# Allegro board com_v1_p3.brd (continued)
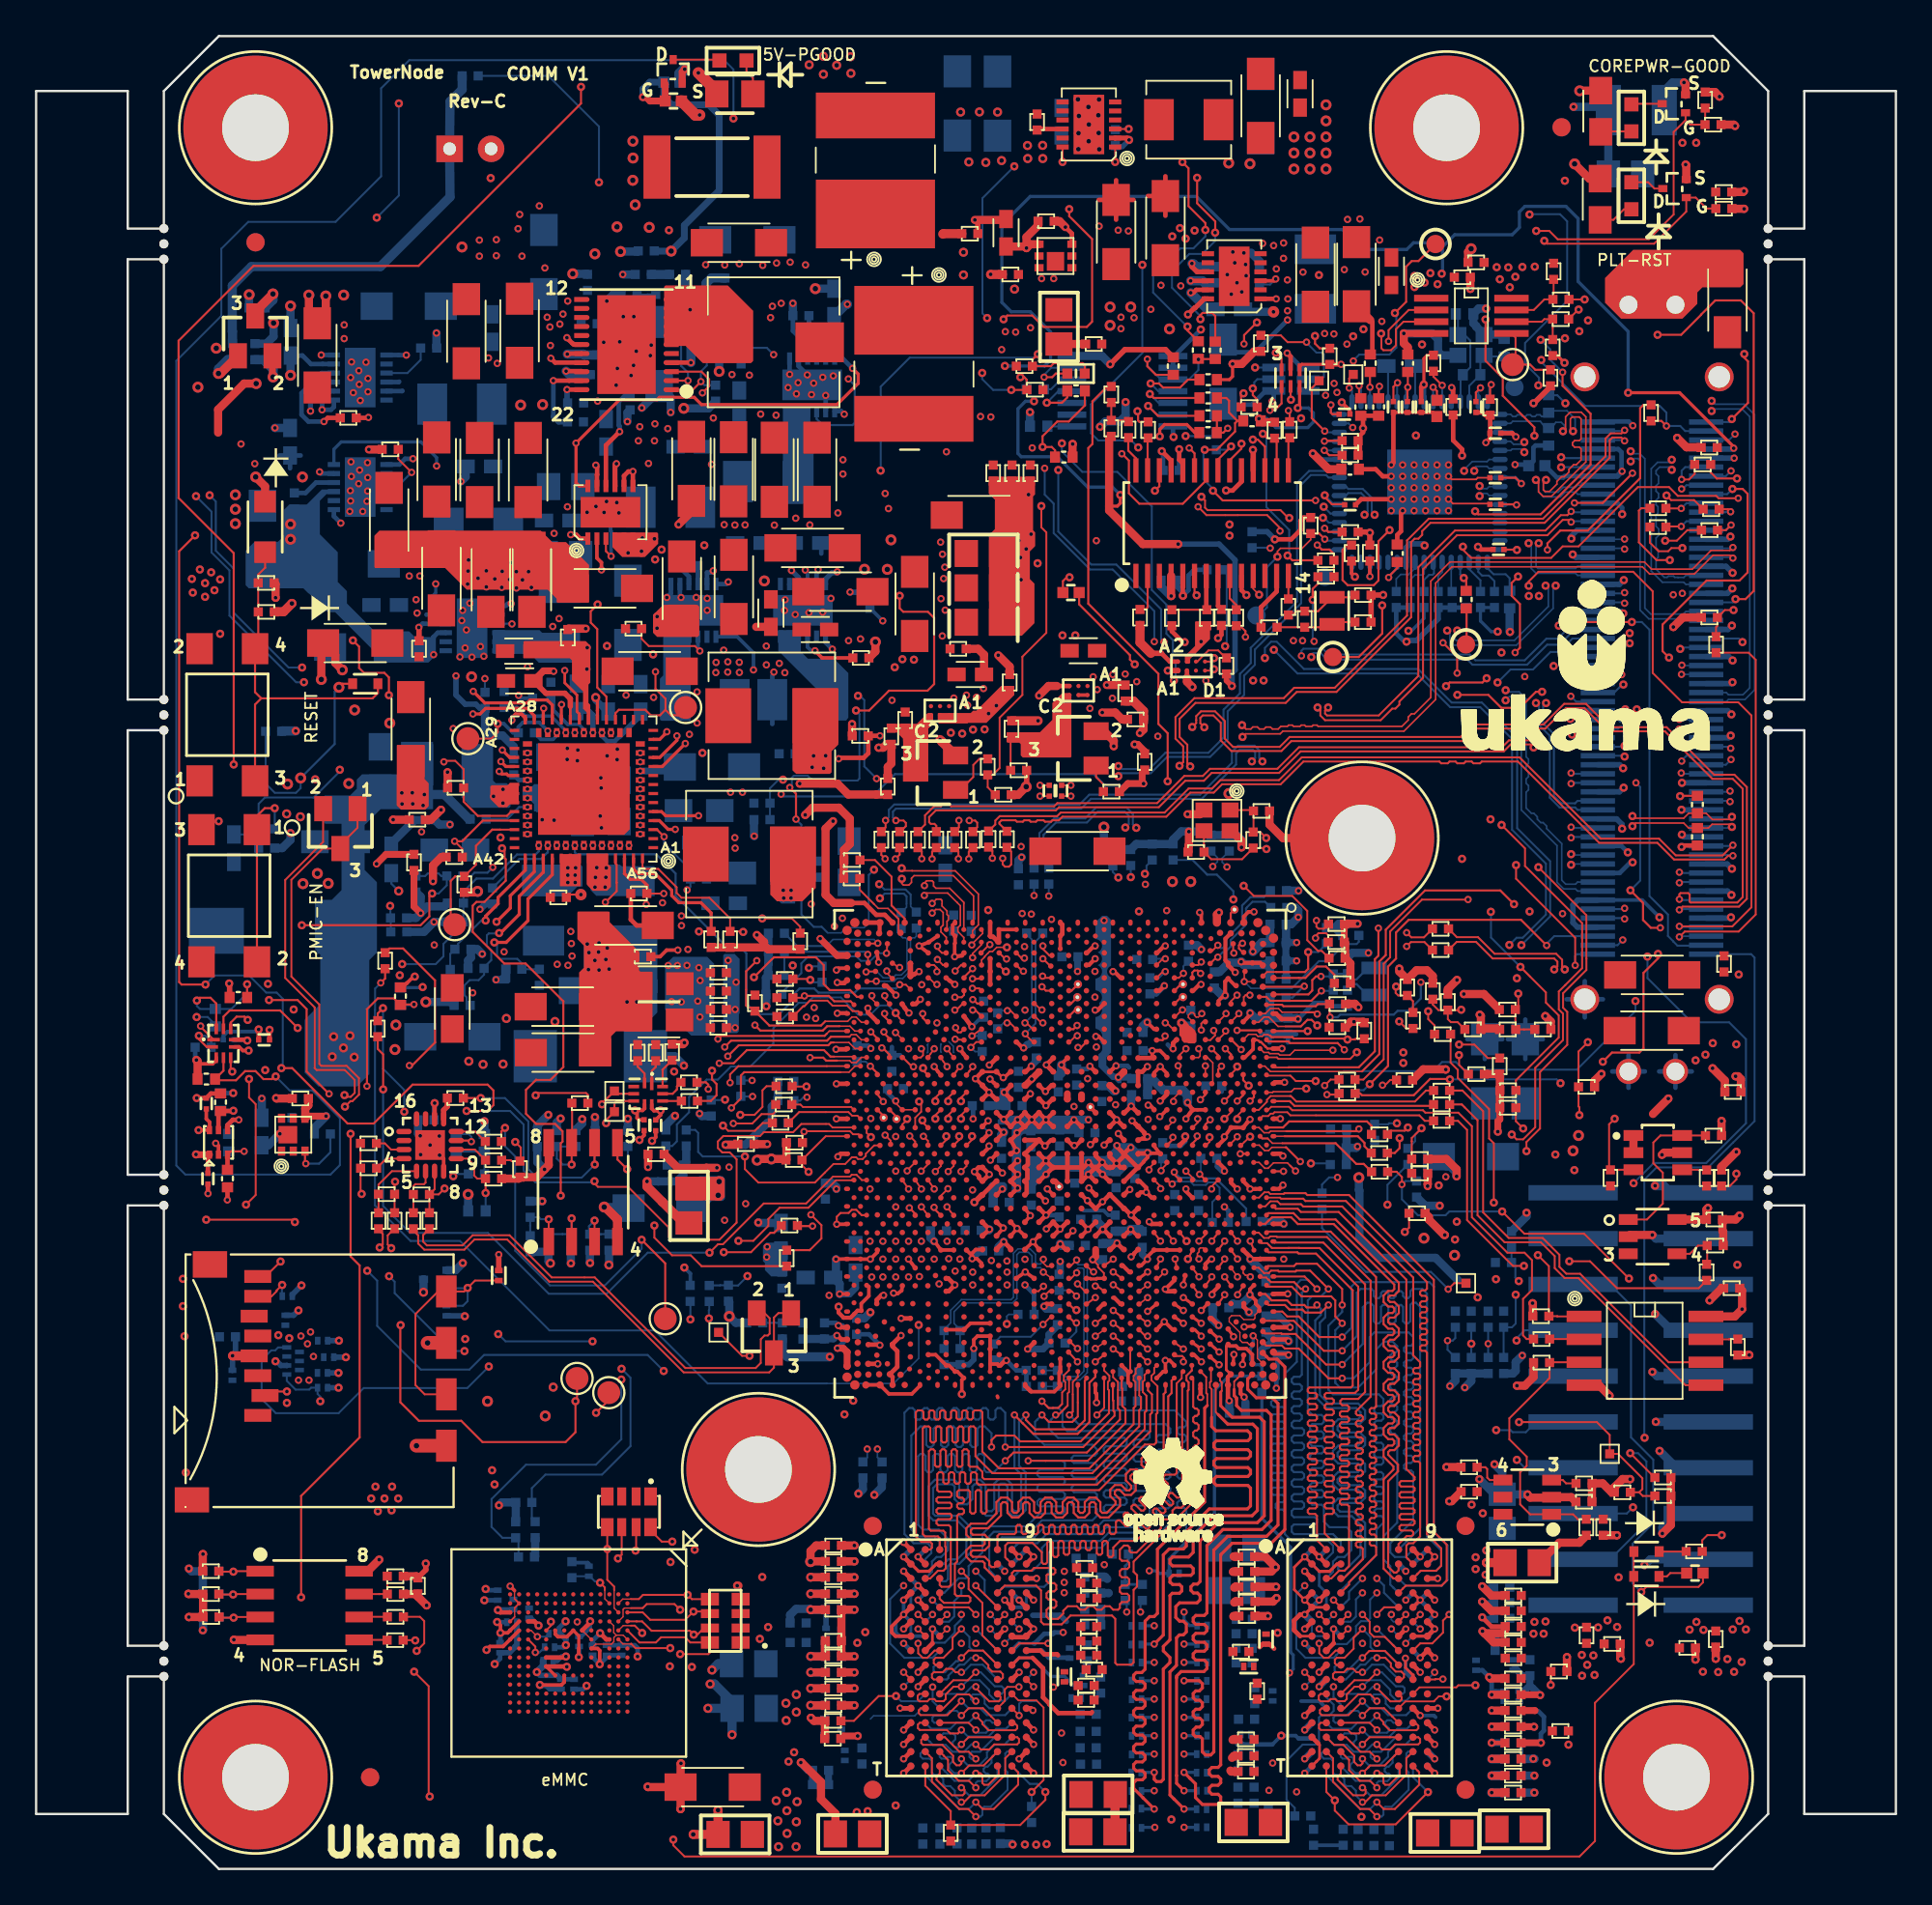
[diagram p0: board, top side]
## Copper pours and planes (outline as drawn; the poured copper is in the pictures) (continued)
V1P8_S on L6_SIG3: 8.98,8.26 8.22,9.02 8.22,59.16 7.72,59.66 7.72,98.05 10.44,100.77 92.57,100.77 95.09,98.25 95.09,77.85 94.71,77.47 89.63,77.47 88.99,78.11 88.99,80.65 86.49,83.16 70.61,83.16 69.94,83.82 69.94,87.63 68.67,88.9 44.54,88.9 36.92,96.52 32.48,96.52 19.78,83.82 19.78,67.31 22.56,64.53 22.56,61.39 23.09,60.85 23.1,60.85 23.1,58.35 23.05,58.25 22.94,58.23 22.53,57.91 22.94,57.59 23.05,57.56 23.1,57.46 23.1,51.93 24.01,51.02 24.01,51 24.1,50.81 24.29,50.72 24.31,50.72 28.68,46.35 28.68,46.35 35.02,40.01 52.16,40.01 52.43,39.74 52.43,36.46 52.16,36.2 45.18,36.2 43.27,34.29 43.27,27.31 42,26.04 38.19,26.04 36.29,24.13 36.29,20.96 40.92,16.32 40.92,9.71 39.46,8.26
V1P8_S on L8_SIG4: outline of 87 points within 51.66,33.65 61.6,39.29
V1P8_S on L8_SIG4: 84,40.42 84,36.35 84.36,35.98 90.16,35.98 90.52,36.35 90.52,40.16 89.74,40.94 84.52,40.94
V1P8_S on L8_SIG4: 66.39,65.27 64.69,65.27 64.52,65.44 64.52,65.75 63.59,66.68 63.59,69.46 63.99,69.85 66.39,69.85 66.77,69.47 66.77,65.65
V1P35_S on TOP (solid shape): 30.71,67.81 30.71,65.76 30.61,65.65 30.61,64.64 30.71,64.54 30.71,63.44 30.69,63.42 30.53,63.42 30.51,63.44 30.51,64.11 30.31,64.32 30.31,65.28 30.23,65.35 30.23,65.35 29.69,65.88 29.69,66.99 29.57,67.11 27.02,67.11 27,67.13 27,68.02 27.05,68.07 30.45,68.07
V1P35_S on BOTTOM: outline of 102 points within 42.96,43.56 55.38,58.19
V1P35_S on L7_PWR2: 35.91,63.88 33.97,65.82 30.1,65.82 29.94,65.98 29.94,67.47 31.05,68.58 34.38,68.58 37.56,65.41 41.37,65.41 44.54,62.23 44.54,57.79 43.91,57.15 41.32,57.15 40.73,57.73 40.73,59.06
V3P3_A on TOP: 33.76,42.67 33.76,42 33.84,41.92 33.84,41.42 33.8,41.38 33.32,41.38 33.19,41.51 33.19,41.72 32.95,41.96 32.95,42.18 33.04,42.27 33.48,42.27 33.58,42.38 33.58,42.66 33.59,42.67
V3P3_A on TOP: 80.21,87.4 80.74,86.87 82.72,86.87 83.62,87.77 83.62,88.57 83.8,88.75 84.32,88.75 84.35,88.77 84.35,89.6 84.31,89.64 82.88,89.64 82.33,90.19 82.33,91.86 82.93,92.46 84.64,92.46 85.08,92.91 85.08,93.72 84.66,94.15 82.51,94.15 80.21,91.84 80.21,89.64 79.98,89.42 79.98,88.58 80.21,88.35
V3P3_A on TOP: 69.14,87.15 69.14,85.69 69.9,84.93 73.99,84.93 75.56,86.5 75.56,88.24 75.49,88.31 74.71,88.31 74.5,88.09 74.5,87.75 74.27,87.52 69.52,87.52
V3P3_A on TOP: 40.31,65.63 44.54,65.63 44.75,65.42 49.03,65.42 49.45,65.85 49.45,69.22 49.43,69.24 47.84,69.24 47.7,69.1 47.7,67.13 47.21,66.63 43.27,66.63 42.93,66.97 42.93,69.08 42.92,69.09 41.92,69.09 41.91,69.08 41.91,67.63 41.74,67.45 40.32,67.45 40.21,67.34 40.21,65.73
V3P3_A on TOP: 88.67,50.31 88.67,45.73 88.64,45.7 86.58,45.7 84.77,47.51 84.77,48.56 86.53,50.32 88.66,50.32
V3P3_A on BOTTOM: 46.56,61.64 61.4,61.64 61.72,61.95 61.72,67.56 61.38,67.9 46.61,67.9 46.25,67.54 46.25,61.95
V3P3_A on BOTTOM: 35.83,62.2 36.87,62.2 37.08,62.41 41.56,62.41 41.82,62.16 41.82,61.02 42,60.84 42.52,60.84 42.7,61.02 42.7,62.62 41.68,63.65 41.68,65.72 41.73,65.77 41.73,66.64 41.27,67.1 40.49,67.1 40.09,66.71 40.09,66.09 39.93,65.93 39.93,63.65 39.6,63.32 35.85,63.32 35.76,63.23 35.76,62.27
V3P3_A on BOTTOM: 72.65,46.55 73.51,47.41 77.16,47.41 78.03,48.28 78.03,48.91 78.13,49.01 82.56,49.01 83.29,49.74 86.74,49.74 87.01,49.47 87.01,46.26 85.12,44.38 76.84,44.38 76.84,44.39 72.48,44.39 72.06,43.97 62.46,43.97 62.14,44.3 62.14,44.67 62.48,45.01 63.99,45.01 64.27,45.3 64.27,46.07 64.75,46.55
V3P3_A on BOTTOM: 69.14,87.45 69.14,86.01 67.89,86.01 67.65,85.77 65.21,85.77 65.04,85.6 65.04,82.66 65.14,82.56 66.99,82.56 67.12,82.69 67.12,83.34 67.3,83.53 69.48,83.53 69.55,83.59 69.55,83.82 70.62,84.89 73.21,84.89 74.07,85.74 82.98,85.74 83.45,86.22 83.45,89.26 83.22,89.5 75.81,89.5 73.76,87.45
V3P3_A on L3_SIG1: 40.03,67.07 40.03,66.6 40.72,65.91 40.72,62.38 41.03,62.06 45.52,62.06 45.98,61.61 47.03,61.61 47.19,61.76 47.19,63.03 47.2,63.05 47.2,63.67 47,63.88 47,65.01 49,67.01 49,67.41 48.6,67.81 40.77,67.81 ; 1 cut-out
V3P3_A on L3_SIG1: 8.36,72.12 8.36,63.37 10.53,61.19 13.69,61.19 14,61.51 15.38,61.51 15.85,61.04 15.85,58.82 18.73,55.95 21.57,55.95 22.96,54.56 22.96,46.05 23.69,45.32 29.56,45.32 33.06,41.83 33.5,41.83 33.5,43.26 30.19,46.58 25.02,46.58 23.95,47.65 23.95,55.53 22.3,57.17 18.86,57.17 16.53,59.5 16.53,61.46 15.52,62.47 11.34,62.47 9.9,63.91 9.9,69.97 10.5,70.57 10.5,72.21 10.28,72.43 8.67,72.43
V3P3_A on L4_PWR1: 41.37,67.31 40.1,67.31 38.83,68.58 38.83,74.93 36.92,76.84 18.34,76.84 14.05,72.55 8.75,72.55 8.02,71.81 8.02,61.88 8.93,60.96 14.7,60.96 15.97,62.23 15.97,70.49 19.14,73.66 26.78,73.66 28.67,71.77 28.67,67.95 29.3,67.31 33.11,67.31 34.38,66.04 34.38,62.23 35.02,61.6 36.29,61.6 39.46,64.77 41.37,64.77 42,65.41 42,66.68
V3P3_A on L5_SIG2: 62.89,41.2 61.77,41.2 61.4,41.56 61.4,44.74 59.78,46.36 59.78,53.98 56.61,57.15 41.37,57.15 40.1,58.42 40.1,69.85 39.46,70.49 39.46,82.55 48.35,91.44 83.91,91.44 84.55,90.81 84.55,86.36 83.91,85.73 69.31,85.73 68.67,85.09 68.67,80.65 69.31,80.01 78.83,80.01 79.47,79.38 79.47,70.49 78.83,69.85 53.43,69.85 49.62,66.04 49.62,62.87 50.26,62.23 53.44,62.23 55.98,64.77 76.93,64.77 77.56,64.14 77.56,52.07 76.93,51.44 70.49,51.44 68.59,49.53 66.13,49.53 65.3,48.7 65.3,47.19 65.5,46.99 68.04,46.99 69.31,48.26 73.76,48.26 74.33,47.69 74.33,44.95 72.88,43.5 71.3,43.5 70.34,42.54 64.22,42.54
V3P3_A on L7_PWR2: 94.9,56.07 94.07,55.25 87.72,55.25 87.1,54.62 87.1,47.64 85.82,46.36 72.48,46.36 71.85,46.99 71.85,48.9 75.66,52.71 75.66,76.84 74.39,78.11 69.31,78.11 68.67,78.74 68.67,87 70.58,88.9 70.58,91.44 71.21,92.08 94.71,92.08 94.9,91.89
V3P3_A on L8_SIG4: 35.99,63.16 36.5,63.16 36.61,63.05 36.61,61.03 35.19,59.6 34.14,59.6 33.63,60.12 33.23,60.12 33.23,60.48 33.32,60.57 33.68,60.57 35.87,62.76 35.87,63.04
V3P3_A on L8_SIG4: 7.95,9.93 7.95,72.62 10.25,74.93 10.25,79.38 12.16,81.28 12.16,86.36 12.79,87 15.97,87 16.6,86.36 16.6,71.12 12.16,66.68 12.16,36.2 11.52,35.56 11.52,24.13 14.06,21.59 19.14,21.59 22.32,18.42 22.32,9.53 21.68,8.89 8.98,8.89
V3P3_S on TOP (solid shape): 65.06,69.11 65.06,68.18 63.96,67.08 63.96,66.86 63.91,66.81 63.72,66.81 63.66,66.87 63.66,67.23 64.22,67.8 64.22,69.12 64.26,69.16 65.01,69.16
V3P3_S on TOP: 61.04,87.02 61.21,86.85 61.21,86.17 61.54,85.84 63.13,85.84 63.4,85.57 63.4,84.78 63.2,84.57 60.02,84.57 59.63,84.19 58.9,84.19 58.8,84.29 58.8,86.74 59.08,87.02
V3P3_S on TOP: 57.43,85.78 55.93,85.78 55.93,86.25 55.04,87.14 55.04,87.87 54.87,88.04 54.24,88.04 54.18,88.1 54.18,88.64 54.19,88.65 55.27,88.65 55.32,88.71 55.32,89.57 55.39,89.63 57.63,89.63 57.66,89.61 57.66,86
V3P3_S on TOP: 92.47,47.7 92.47,48.57 92.97,49.08 92.97,49.87 93.08,49.98 95.11,49.98 95.34,49.75 95.34,47.62 95.13,47.4 92.77,47.4
V3P3_S on BOTTOM: 59.13,87.34 59.13,84.42 60.91,84.42 60.91,87.34
V3P3_S on BOTTOM: 40.38,39.88 40.29,39.97 40.29,40.33 40.43,40.47 40.88,40.47 41.4,40.98 41.4,41.7 41.47,41.78 43.6,41.78 44.2,41.18 45.12,41.18 45.83,40.47 45.87,40.47 45.89,40.45 45.9,40.44 46.19,40.23 46.53,40.36 46.6,40.4 46.68,40.37 46.94,40.25 47.21,40.35 47.28,40.38 47.35,40.35 47.63,40.22 47.91,40.34 47.93,40.36 47.96,40.37 48.05,40.46 50.11,40.46 50.12,40.47 52.27,40.47 52.3,40.47 52.64,40.47 52.65,40.46 52.78,40.42 52.92,40.43 52.93,40.43 52.96,40.43 53.01,40.37 53.02,40.36 53.02,40.34 53.02,39.96 53.39,39.96 53.73,39.63 53.73,39.2 53.67,39.14 53.23,39.14 53.19,39.09 53.2,39.09 53.2,39.01 48.23,39.01 47.94,38.72 45.36,38.72 44.2,39.88 42.85,39.88
V3P3_S on BOTTOM: 61.66,84.4 61.66,84.92 61.67,84.93 61.67,85.93 62.07,86.33 63.16,86.33 63.52,85.98 63.52,84.4
V3P3_S on L7_PWR2: 94.29,54.72 94.81,54.19 94.81,13.44 94.07,12.7 82.64,12.7 82.01,13.34 82.01,19.05 78.2,22.86 78.2,34.93 78.83,35.56 78.83,37.47 77.56,38.74 64.86,38.74 64.23,39.37 64.23,51.44 58.51,57.15 58.51,66.68 55.97,69.22 55.97,83.82 54.7,85.09 27.4,85.09 22.95,80.65 22.95,71.76 22.32,71.12 18.5,71.12 17.87,70.5 17.87,59.06 19.14,57.79 21.68,57.79 22.32,57.15 22.32,43.82 23.59,42.55 40.73,42.55 41.02,42.26 41.02,40.11 40.29,39.38 36.3,39.38 35.65,38.74 35.65,32.39 38.33,29.71 38.33,24.86 36.92,22.23 38.33,19.59 38.33,1.2 38.12,0.99 18.16,0.99 17.24,1.91 17.24,9.53 16.61,10.16 8.35,10.16 7.96,10.55 7.96,73.27 8.98,74.3 14.06,74.3 16.6,76.84 16.6,83.82 15.33,85.09 15.33,97.79 18.3,100.75 92.36,100.75 95.08,98.04 95.08,93.08 94.71,92.71 71.21,92.71 69.94,91.44 69.94,88.9 68.04,87 68.04,78.74 69.31,77.47 74.39,77.47 75.02,76.84 75.02,52.71 71.21,48.9 71.21,46.36 71.85,45.72 85.82,45.72 87.72,47.63 87.72,54.61 87.83,54.72
V3P3_S on L8_SIG4: 53.3,41.86 52.29,41.86 52.06,41.63 52.06,39.2 52.45,38.81 53.15,38.81 53.42,39.08 53.42,41.74
V5_A on BOTTOM (solid shape): 28.96,60.1 28.96,58.72 28.86,58.62 27.61,58.62 27.59,58.64 27.59,59.02 27.39,59.22 26.99,59.22 26.95,59.26 26.95,59.88 27.05,59.98 27.45,59.98 27.6,60.13 28.92,60.13
V5_A on TOP: 15.55,77.77 15.55,73.14 18.17,70.52 19.85,70.52 20.97,69.4 21.29,69.4 21.38,69.49 21.38,70.36 19.93,71.8 18.65,71.8 16.83,73.62 16.83,77.77 16.54,78.06 15.84,78.06
V5_A on TOP: 56.2,96.11 56.02,95.93 54.73,95.93 54.6,95.79 54.6,94.66 54.74,94.51 55.97,94.51 56.13,94.66 56.13,95.53 56.4,95.8 57.21,95.8 57.21,96.11
V5_A on TOP: 33.23,90.63 32.6,91.26 32.6,96.04 32.66,96.1 35.14,96.1 35.15,96.09 35.15,92.58 34.55,92.58 34.51,92.55 34.51,90.79 34.35,90.63
V5_A on TOP: 9.97,81.54 11.23,82.8 11.23,82.8 12.42,82.8 12.58,82.63 12.58,78.41 10.87,76.7 8.5,76.7 8.36,76.84 8.36,81.09 8.81,81.54
V5_A on BOTTOM: 37.54,55.77 37.54,55.77 37.92,55.39 37.92,52.99 37.77,52.85 36.84,52.85 36.64,53.05 36.64,54.03 36.8,54.19 36.8,55.14 36.53,55.42 35.69,56.25 35.69,57.08 35.07,57.7 34.33,57.7 34.01,58.02 34.01,58.59 33.68,58.92 33.4,58.92 33.25,58.77 33.25,57.47 32.92,57.14 32.23,57.14 32.03,56.94 32.03,56.53 31.98,56.48 31.22,56.48 31.17,56.53 31.17,57.12 31.07,57.22 30.58,57.22 30.51,57.14 30.51,56.51 30.48,56.48 30.23,56.48 30.2,56.51 30.2,57.07 30.13,57.14 29.54,57.14 29.52,57.12 29.52,56.56 29.47,56.51 27.43,56.51 26.57,55.65 23.75,55.65 23.55,55.85 23.55,57.35 23.93,57.73 29.12,57.73 29.24,57.86 29.24,58.69 29.47,58.92 32.49,58.92 32.92,59.35 32.92,59.89 33.05,60.01 33.71,60.01 33.86,59.86 35.82,59.86 36.65,59.02 36.65,57.55 36.88,57.32 36.88,56.43
V5_A on BOTTOM: 57.17,96.61 56.23,96.61 55.64,96.01 54.84,96.01 54.65,95.82 54.65,94.69 54.75,94.58 55.92,94.58 56.13,94.79 56.13,95.54 56.16,95.58 57.17,95.58
V5_A on BOTTOM: 31.96,79.52 30.94,79.52 30.71,79.29 30.71,77.64 30.77,77.58 31.65,77.58 31.78,77.71 31.78,78.04 32.06,78.32 32.06,79.42
V5_A on BOTTOM: 15.75,78.9 15.96,78.69 15.96,77.24 15.88,77.16 13.44,77.16 11.74,78.86 11.74,82.62 13.54,84.42 15.22,84.42 15.39,84.25 15.39,83.06 14.32,82 14.32,81.65 12.68,80 12.68,79.19 12.97,78.9
V5_A on BOTTOM: 43.03,73.93 44.45,73.93 44.55,73.83 44.55,72.59 44.03,72.07 43.8,72.07 43.54,71.8 43.16,71.8 43.06,71.9 43.06,72.97 42.95,73.07 42.95,73.86
V5_A on BOTTOM: 19.81,69.36 21.76,69.36 21.79,69.39 22.91,69.39 22.96,69.45 22.96,69.63 22.94,69.66 21.87,69.66 21.6,69.93 21.6,70.27 21.34,70.53 21.34,70.56 21.16,70.73 20.02,70.73 20.01,70.72 19.57,70.72 19.51,70.67 19.51,69.66
V5_A on BOTTOM: 32.74,91.9 32.92,91.71 35.87,91.71 36.65,92.5 36.65,96.78 36.5,96.94 33.1,96.94 32.74,96.58
V5_A on BOTTOM: 39.23,73.88 39.25,73.87 39.25,72.03 38.94,71.72 37.16,71.72 37.11,71.78 37.11,72.2 37.45,72.54 38.05,72.54 38.22,72.71 38.22,73.87 38.23,73.88
V5_A on L3_SIG1: 8.44,79.54 7.72,80.27 7.72,91.51 9.33,93.12 17.16,93.12 22.38,98.34 26.14,98.34 27.64,96.85 33.53,96.85 34.31,96.07 34.31,90.84 34.17,90.7 34.17,90.69 32.26,88.79 13.56,88.79 12.36,87.59 12.36,85.29 13.87,83.77 14.65,83.77 14.86,83.57 14.86,80.27 14.13,79.54
V5_A on L4_PWR1: 47.72,92.71 36.29,92.71 35.49,91.91 33.1,91.91 32.73,92.28 32.73,96.21 33.04,96.52 39.46,96.52 40.1,97.16 56.61,97.16 57.25,96.51 57.25,91.45 56.61,90.81 49.62,90.81
V5_A on L5_SIG2: 56.61,100.33 56.61,92.71 55.97,92.08 39.46,92.08 35.65,88.27 17.87,88.27 14.51,84.9 14.51,80.2 16.6,78.11 16.6,76.84 15.97,76.2 13.43,76.2 12.79,75.57 12.79,72.39 13.43,71.76 21.68,71.76 22.32,71.12 22.32,69.85 21.68,69.22 8.35,69.22 7.86,69.7 7.86,97.83 10.94,100.91 56.03,100.91 ; 1 cut-out
V5_A on L6_SIG3: 55.41,80.79 55.37,80.69 44.54,69.85 42.64,67.95 27.4,67.95 26.29,66.84 26.29,64.85 26.55,64.59 27.48,64.59 27.9,65.02 29.19,65.02 29.34,64.87 29.34,63.85 29.3,63.82 29.3,60.96 30.57,59.69 31.84,59.69 32.23,60.07 33.62,60.07 33.83,59.86 33.83,59.3 33.75,59.38 33.75,57.15 33.11,56.52 25.95,56.52 25.1,57.37 25.1,64.15 24.89,64.36 24.89,65.63 25.1,65.83 25.1,66.31 24.74,66.68 21.68,66.68 20.41,67.95 20.41,83.82 32.7,96.11 36.7,96.11 44.54,88.27 68.67,88.27 69.31,87.63 69.31,83.19 68.67,82.55 57.23,82.55 56.01,81.34 55.91,81.3 55.82,81.35 55.32,81.38 55.36,80.89
V5_A on L7_PWR2: 12.16,83.82 15.33,83.82 15.97,83.19 15.97,76.84 15.33,76.2 13.43,76.2 12.79,76.84 12.79,78.11 11.52,79.38 11.52,83.19
V12_A on TOP (solid shape): 36.75,69.97 36.75,68.39 36.66,68.29 34.41,68.29 34.19,68.52 34.19,69.51 34.75,70.08 36.65,70.08
V12_A on BOTTOM (solid shape): 16.83,76.22 16.1,76.22 15.72,75.84 15.72,73.98 16.72,72.99 16.72,71.34 17.23,70.83 17.23,70.15 18.77,68.6 20.68,68.6 20.99,68.29 22.06,68.29 22.13,68.23 22.13,67.25 21.74,66.87 18.72,66.87 18.71,66.89 18.71,67.53 16.57,69.67 16.16,69.67 15.12,70.71 15.09,70.71 14.81,70.99 11.79,70.99 11.61,71.17 11.61,73.07 12.11,73.57 13.4,73.57 13.74,73.91 13.74,75.35 14.03,75.64 15,75.64 15.83,76.47 16.83,76.47
V12_A on TOP: 56,98.19 50.85,98.19 50.64,97.98 50.64,95.57 50.64,95.56 50.64,95.08 51.44,94.28 53.56,94.28 53.83,94.56 53.83,95.73 55.14,97.04 55.71,97.04 55.93,96.82 57.21,96.82 57.21,97.07 57.18,97.09 56.47,97.09 56.04,97.52 56.04,98.15
V12_A on TOP: 42.04,88.77 41.92,88.66 40.08,88.66 39.84,88.9 39.84,90.91 39.84,90.92 41.92,90.92 42.04,90.8
V12_A on TOP: 22.09,86.25 22.65,85.69 27.56,85.69 29.01,87.14 30.63,87.14 30.67,87.11 30.67,84.44 30.59,84.36 29.25,84.36 29.05,84.16 29.05,83.77 29.18,83.64 30.63,83.64 30.69,83.59 30.69,83.43 30.61,83.36 28.94,83.36 28.11,82.53 28.11,78.51 28.03,78.43 21.22,78.43 20.48,79.17 16.49,79.17 15.24,77.92 15.24,72.87 18.04,70.07 18.67,70.07 18.67,70.07 19.94,70.07 20.36,69.66 20.36,67.62 20.53,67.45 21.72,67.45 21.81,67.54 22.21,67.54 22.27,67.48 22.27,66.99 21.9,66.62 18.81,66.62 18.57,66.86 18.57,67.96 17.39,69.14 14.83,69.14 14.71,69.27 14.71,70.45 13.67,71.49 13.67,81.96 13.89,82.19 14.41,82.19 14.58,82.35 14.58,83.33 14.75,83.5 16.37,83.5 16.48,83.61 16.48,85.88 16.85,86.25
V12_A on TOP: 93.04,86.19 92.94,86.09 92.94,84.23 92.53,83.82 85.6,83.82 84.97,83.19 84.97,82.24 85.36,81.86 94.05,81.86 94.51,82.32 94.51,86.09 94.42,86.19
V12_A on TOP: 64.43,90.06 64.32,89.95 64.32,88.5 64.25,88.42 63.47,88.42 63.34,88.29 62.38,88.29 62.16,88.07 59.08,88.07 59.06,88.1 59.06,89.87 59.14,89.95 61.67,89.95 62.94,91.22 64.32,91.22 64.43,91.11 64.43,90.06
V12_A on TOP: 42.18,73.99 42.48,73.69 42.48,71.67 42.6,71.56 45.11,71.56 45.27,71.39 45.27,70.64 44.63,70 43.65,70.04 41.88,70.04 41.85,70.07 41.85,70.76 40.36,72.25 40.36,73.99 40.36,73.99
V12_A on BOTTOM: 40.57,85.81 40.21,86.17 40.21,91.35 40.49,91.63 40.5,91.63 41.67,92.81 46.07,92.81 47.75,94.48 49.2,94.48 50.29,95.58 50.29,97.63 50.85,98.19 53.4,98.19 54.12,97.46 54.12,93.58 53.84,93.3 52.15,93.3 47.85,88.99 43.89,88.99 42.74,87.84 42.74,87.04 42.42,86.73 42.42,86.03 42.25,85.85 42.25,85.01 42.56,84.7 42.56,84.59 41.79,84.59
V12_A on BOTTOM: 31.14,86.65 31.14,87.6 30.99,87.76 29.59,87.76 29.15,88.2 27.24,88.2 26.95,87.9 26.95,83.97 27.41,83.51 29.24,83.51 30.46,84.73 30.46,85.97
V12_A on BOTTOM: 37.21,74.09 34.85,74.09 34.73,73.97 34.73,73.41 34.73,73.41 34.35,73.03 34.34,73.02 33.67,72.34 32.04,72.34 32,72.3 32,70.54 32.02,70.54 32.09,70.47 34.04,70.47 34.39,70.82 34.39,71.51 34.81,71.93 35.66,71.93 36.01,71.57 36.01,70.87 36.29,70.87 36.31,70.89 36.31,71.74 36.25,71.74 36.04,71.96 36.04,72.58 36.1,72.65 37.19,72.65 37.32,72.78 37.32,73.98
V12_A on L3_SIG1: 49.47,93.24 58.73,93.24 61.05,90.91 62.32,90.91 64.32,88.92 64.75,88.92 65.22,88.45 67.95,88.45 68.63,89.13 68.63,90.91 83.62,90.91 86.69,87.84 86.69,84.25 86.41,83.97 83.85,83.97 83.65,83.76 83.65,82.2 84.03,81.82 94.32,81.82 94.32,90.01 94.43,90.12 94.43,99.12 93.33,100.22 49.95,100.22 49.47,99.74
V12_A on L3_SIG1: 38.63,72.97 42.37,72.97 42.85,72.49 42.85,70.45 41.89,69.49 36.25,69.49 35.18,68.42 34.9,68.42 34.89,68.43 34.13,68.43 34.04,68.52 34.04,72.92 34.79,73.67 37.93,73.67
V12_A on L4_PWR1: 9.62,80.01 15.33,85.73 17.24,85.73 19.14,87.63 42,87.63 42.64,87 42.64,85.09 35.02,77.47 18.51,77.47 14.06,73.03 10.25,73.03 9.62,73.66
V12_A on L5_SIG2: 17.87,87.63 14.76,84.52 14.76,80.58 17.24,78.11 17.24,76.2 16.6,75.57 14.06,75.57 13.43,74.93 13.43,73.03 14.06,72.39 22.32,72.39 24.22,70.49 38.19,70.49 38.83,71.12 38.83,82.55 43.91,87.63 43.91,90.81 43.27,91.44 39.46,91.44 35.65,87.63
VBAT on L4_PWR1: 15.33,86.36 17.24,86.36 19.14,88.27 42,88.27 43.27,87 43.27,85.09 36.92,78.74 36.92,77.47 37.56,76.84 43.91,76.84 48.35,81.28 48.35,91.44 47.72,92.08 36.29,92.08 35.65,91.44 33.11,91.44 31.21,93.35 18.51,93.35 15.33,90.17 13.43,90.17 12.8,89.54 12.8,85.08 12.98,84.91 13.88,84.91
VBAT on L8_SIG4: 61.44,46.02 61.44,46.04 62.04,46.63 63.3,46.63 63.99,45.94 63.99,45.89 63.77,45.67 61.38,45.67 61.32,45.61 61.32,45.9
VCC_S on TOP (solid shape): 31.78,52.98 31.78,52.48 33.41,50.86 33.41,49.82 33.49,49.74 34.12,49.74 34.15,49.71 34.15,46.53 34.05,46.43 32.14,46.43 31.87,46.16 31.87,44.5 31.86,44.49 30.09,44.49 30.09,44.49 30.09,49.69 30.36,49.96 30.36,51.18 30,51.54 30,53.01 30.05,53.06 31.7,53.06
VCC_S on BOTTOM (solid shape): 34.42,52.13 34.42,47.47 33.81,46.86 30.94,46.86 30.83,46.97 30.83,49.48 30.73,49.57 30.45,49.57 30.36,49.67 30.36,52.2 30.45,52.3 34.25,52.3
VCC_S on BOTTOM (solid shape): 61.05,39.92 61.72,39.92 61.83,39.81 61.83,39.57 61.17,38.91 60.54,38.91 60.05,38.41 59.26,38.41 59.21,38.37 58.15,38.37 58.09,38.43 58.09,38.46 57.88,38.67 57.74,38.67 57.73,38.67 57.23,38.67 57.01,38.89 56.21,38.89 56.18,38.86 56.18,38.38 56.09,38.29 55.81,38.29 55.38,37.86 55.38,37.53 55.31,37.46 54.9,37.46 54.9,39.46 54.95,39.51 55.22,39.51 55.23,39.52 56.39,39.52 56.39,39.51 58.96,39.51 58.97,39.52 59.27,39.52 59.69,39.94 59.69,40.19 59.73,40.24 60.73,40.24
VCC_S on TOP: 55.41,39.74 59.5,39.74 59.88,40.12 62.13,40.12 62.39,39.86 62.39,39.58 62.26,39.45 61.72,39.45 60.33,38.06 57.14,38.06 56.74,38.46 56.23,38.46 55.89,38.12 55.51,38.12 55.41,38.23 55.41,39.54 55.42,39.56 55.42,39.73
VCC_S on TOP: 44.68,76.54 44.68,75 44.29,74.62 43.53,74.62 43.18,74.28 35.46,74.28 35.28,74.45 35.28,76.46 35.55,76.72 44.5,76.72
VCC_S on BOTTOM: 43.14,74.34 37.98,74.34 37.97,74.34 36.12,74.34 35.97,74.49 35.97,76.62 36.09,76.73 36.26,76.73 36.44,76.91 36.44,79.29 36.58,79.42 37.8,79.42 37.95,79.57 37.95,80.62 38.27,80.94 39.38,80.94 40.08,80.24 40.08,75.66 40.49,75.25 42.98,75.25 43.16,75.08 43.16,74.36
VCC_S on L7_PWR2: 62.32,40.01 61.69,39.37 61.05,39.37 59.78,38.1 47.72,38.1 46.45,39.37 46.45,46.36 45.18,47.63 40.73,47.63 39.47,48.9 37.56,48.9 36.29,47.63 31.21,47.63 29.94,48.9 29.94,51.44 33.75,55.25 39.46,55.25 40.73,56.52 43.91,56.52 45.18,57.79 45.18,62.23 42.64,64.77 42.64,69.22 39.46,72.39 37.37,72.39 35.02,74.74 35.02,75.57 35.65,76.2 47.08,76.2 49.62,73.66 49.62,71.12 52.16,68.58 54.7,68.58 56.61,66.68 56.61,56.52 61.05,52.07 61.05,41.91 62.32,40.64
VDDQ on TOP (solid shape): 21.53,62.29 21.53,60.41 21.76,60.18 21.76,58.91 21.57,58.72 20.21,58.72 19.99,58.95 19.99,62.28 20.02,62.31 21.51,62.31
VDDQ on BOTTOM (solid shape): 22,58.74 19.09,58.74 18.28,57.93 18.27,57.93 18.21,57.87 18.21,55.37 18.89,54.69 18.89,50.8 18.47,50.38 18.47,44.05 17.79,43.37 15.64,43.37 14.88,44.14 14.88,47.07 15.75,47.94 15.75,50.69 15.45,50.98 15.45,53.54 15.63,53.73 16.39,53.73 16.92,54.26 16.92,57.93 16.03,57.93 15.9,58.06 15.9,59.4 16,59.51 17.4,59.51 17.77,59.87 17.77,60.38 18.06,60.67 19.97,60.67 20.22,60.93 20.22,62.48 22,62.48
VDDQ on TOP: 58.07,17 56.8,17 56.72,16.92 56.72,15.06 56.97,14.81 58.16,14.81 58.16,16.91
VDDQ on TOP: 58.53,1.31 56.95,1.31 56.3,1.95 56.3,7.81 56.54,8.05 58.1,8.05 58.54,7.62 58.54,1.31
VDDQ on TOP: 34.9,65.61 34.89,65.62 34.89,67.15 34.89,67.16 37.34,67.16 37.59,67.41 37.59,69.95 37.83,70.18 39.48,70.18 40.28,69.37 41.09,69.37 41.11,69.36 41.11,68.34 41.09,68.33 40.51,68.33 39.27,67.08 39.27,66.11 38.95,65.79 36.9,65.79 36.73,65.61
VDDQ on TOP: 39.74,11.2 39.74,8.05 39.83,7.96 42.1,7.96 42.39,8.25 42.39,11.2 42.32,11.27 39.82,11.27
VDDQ on TOP: 45.25,3.47 45.25,2.95 45.57,2.63 45.57,1.19 46.83,1.19 46.87,1.23 46.87,3.48 46.75,3.6 45.38,3.6
VDDQ on TOP: 81.49,1.23 78.37,1.23 78.36,1.24 78.36,3.39 78.43,3.46 80,3.46 80.28,3.74 80.28,12.15 79.53,12.91 79.53,17.4 80.05,17.92 81.87,17.92 82.06,17.73 82.06,16.35 81.66,15.95 81.66,3.02 81.6,2.96 81.6,1.35
VDDQ on TOP: 58.14,13.69 57.22,13.69 56.48,12.95 56.48,11.02 56.72,10.77 58.04,10.77 58.38,10.43 58.38,9.91 58.89,9.91 58.89,10.53 58.84,10.58 58.65,10.58 58.44,10.79 58.44,11.31 58.3,11.45 58.18,11.45 58.14,11.49 58.14,13.68
VDDQ on TOP: 67.27,17.57 67.27,13.1 67.51,12.86 69.34,12.86 69.44,12.96 69.44,14.19 69,14.63 69,17.21 68.63,17.58 67.28,17.58
VDDQ on TOP: 67.24,7.4 67.24,4.27 67.76,3.75 67.76,1.84 67.76,1.83 69.76,1.83 70.06,2.13 70.06,4.42 69.68,4.8 69.68,5.64 69.94,5.89 70.36,5.89 70.9,6.43 70.9,6.57 70.77,6.7 70.41,6.7 70.31,6.81 70.31,7.4 70.91,8.01 70.91,8.21 70.81,8.31 70.6,8.31 70.48,8.2 70.03,8.2 68.56,9.66 67.24,9.66 67.2,9.62
VDDQ on BOTTOM: 39.79,7.97 39.84,7.92 41.99,7.92 42.45,8.38 42.45,9.85 42.04,10.26 42.04,12.79 42.01,12.83 41.45,12.83 40.82,12.19 39.85,12.19 39.79,12.13
VDDQ on BOTTOM: 38.31,67 39.14,67 39.27,66.88 39.27,66.34 39.6,66 39.6,63.62 39.52,63.55 37.75,63.55 37.54,63.75 37.54,65.59 37.39,65.75 37.39,66.96 37.45,67.02 38.29,67.02
VDDQ on BOTTOM: 82.04,16.65 81.67,16.28 81.25,16.28 81.02,16.05 81.02,13.39 81.11,13.31 81.11,12.76 81.1,12.75 80.23,12.75 79.52,13.46 79.52,18.08 80.48,19.04 80.48,19.51 80.5,19.53 81.99,19.53 82.04,19.48
VDDQ on BOTTOM: 67.13,9.94 67.28,9.8 68.19,9.8 68.29,9.7 68.89,9.7 69.02,9.83 69.02,10.93 68.98,10.96 68.98,12.73 69.06,12.8 69.06,17.7 68.23,18.53 66.79,18.53 66.79,16.09 66.75,16.05 66.75,14.84 67.13,14.46
VDDQ on BOTTOM: 67.4,3.17 68.88,3.17 68.97,3.25 68.97,6.39 68.85,6.51 67.28,6.51 67.24,6.47 67.24,3.33
VDDQ on BOTTOM: 47.83,6.17 44.41,6.17 44.06,5.82 43.72,5.82 43.66,5.75 43.66,3.24 44.4,2.5 46.38,2.5 46.52,2.64 46.52,3.38 46.43,3.47 45.53,3.47 45.23,3.78 45.23,5.21 45.37,5.35 45.8,5.35 46.19,5.73 47.95,5.73 48.47,6.26 48.63,6.26 48.72,6.35 48.72,6.6 48.56,6.76 48.4,6.76 47.93,6.29 47.93,6.27
VDDQ on BOTTOM: 55.4,8.4 54.85,8.4 54.66,8.21 54.66,7.92 54.73,7.85 56.17,7.85 56.51,7.52 56.5,7.52 56.5,6.73 56.39,6.62 55.09,6.62 55,6.71 54.73,6.71 54.65,6.63 54.65,6.25 54.74,6.16 55.86,6.16 56.46,5.55 58.12,5.55 58.13,5.56 58.13,8.81 58.11,8.83 55.82,8.83
VDDQ on BOTTOM: 57.87,17.32 56.97,17.32 56.78,17.13 56.78,15.83 56.3,15.35 55.34,15.35 55.05,15.06 55.05,14.75 55.12,14.68 55.12,14.27 54.71,13.87 54.71,13.63 54.8,13.54 55.56,13.54 55.56,13.47 56.93,12.1 57.57,12.1 57.64,12.17 58.47,12.17 58.54,12.23 58.54,13.06 58.35,13.25 58.35,16.41 58.25,16.52 58.13,16.52 57.9,16.75 57.9,17.3
VDDQ on L5_SIG2: 50.26,1.91 47.08,5.08 43.91,5.08 38.83,10.16 21.68,10.16 18.51,13.34 18.51,20.96 14.06,25.4 14.06,60.96 14.7,61.6 21.68,61.6 23.59,63.5 29.94,63.5 30.16,63.28 30.16,61.18 29.3,60.33 27.4,60.33 26.13,59.06 26.13,49.53 21.05,44.45 21.05,37.47 22.32,36.2 22.32,30.46 23.57,29.21 29.3,29.21 31.84,26.67 33.11,26.67 33.71,27.26 41.33,27.26 45.18,31.12 45.18,34.93 45.82,35.56 50.89,35.56 52.51,33.95 60.71,33.95 61.05,34.29 71.21,34.29 80.1,25.4 80.1,24.13 80.74,23.5 82.64,23.5 83.28,22.86 83.28,2.54 82.64,1.91
VDDQ on L6_SIG3: 45.81,0.64 41.24,5.21 41.24,18.28 43.91,20.96 43.91,34.29 45.18,35.56 52.16,35.56 53.44,36.83 68.04,36.83 71.85,33.02 71.85,27.31 78.2,20.96 81.37,20.96 82.01,20.32 82.01,1.27 81.38,0.64
VDDQ on L7_PWR2: 26.13,70.49 26.06,70.37 25.98,70.26 26.21,69.7 26.44,70.26 26.41,70.4 26.53,70.48 28.03,70.48 28.67,71.12 28.67,73.03 29.94,74.3 35.02,74.3 35.36,73.96 37.56,71.76 39.46,71.76 42,69.22 42,66.68 41.37,66.04 37.56,66.04 34.38,69.22 31.21,69.22 29.3,67.31 29.3,66.04 30.08,65.27 30.08,62.76 29.72,62.76 29.64,62.83 29.64,63.29 29.23,63.71 26.41,63.71 26.41,63.71 26.16,63.71 25.9,63.44 25.9,63.03 21.29,58.42 19.14,58.42 18.51,59.06 18.51,69.85 19.14,70.49
SD1_CLK_V on TOP: 11.54,29.9 11.54,29.18 14.15,29.18 14.26,29.3 14.26,30.13 14.11,30.29 13.33,30.29 12.94,29.9 11.54,29.9
SD1_CLK_V on BOTTOM: 12.2,28.34 12.41,28.13 12.66,28.13 13.31,28.78 14.14,28.78 14.2,28.84 14.2,30.13 14.04,30.29 12.73,30.29 12.2,29.75
SD1_CMD_V on TOP: 11.54,27.7 13.32,27.7 14.47,28.85 14.47,29.95 14.53,30 15.33,30 15.42,29.91 15.42,28.93 15.04,28.55 15.04,28.29 13.73,26.98 11.54,26.98
SD1_CMD_V on BOTTOM: 14.35,28.85 14.48,28.98 14.48,29.88 14.59,29.98 15.45,29.98 15.76,29.68 15.76,29.06 15.59,28.89 14.93,28.89 14.86,28.83 14.86,28.54 14.85,28.53 14.36,28.53 14.35,28.54
